# KiCad board pedalboard-display.kicad_pcb (continued)
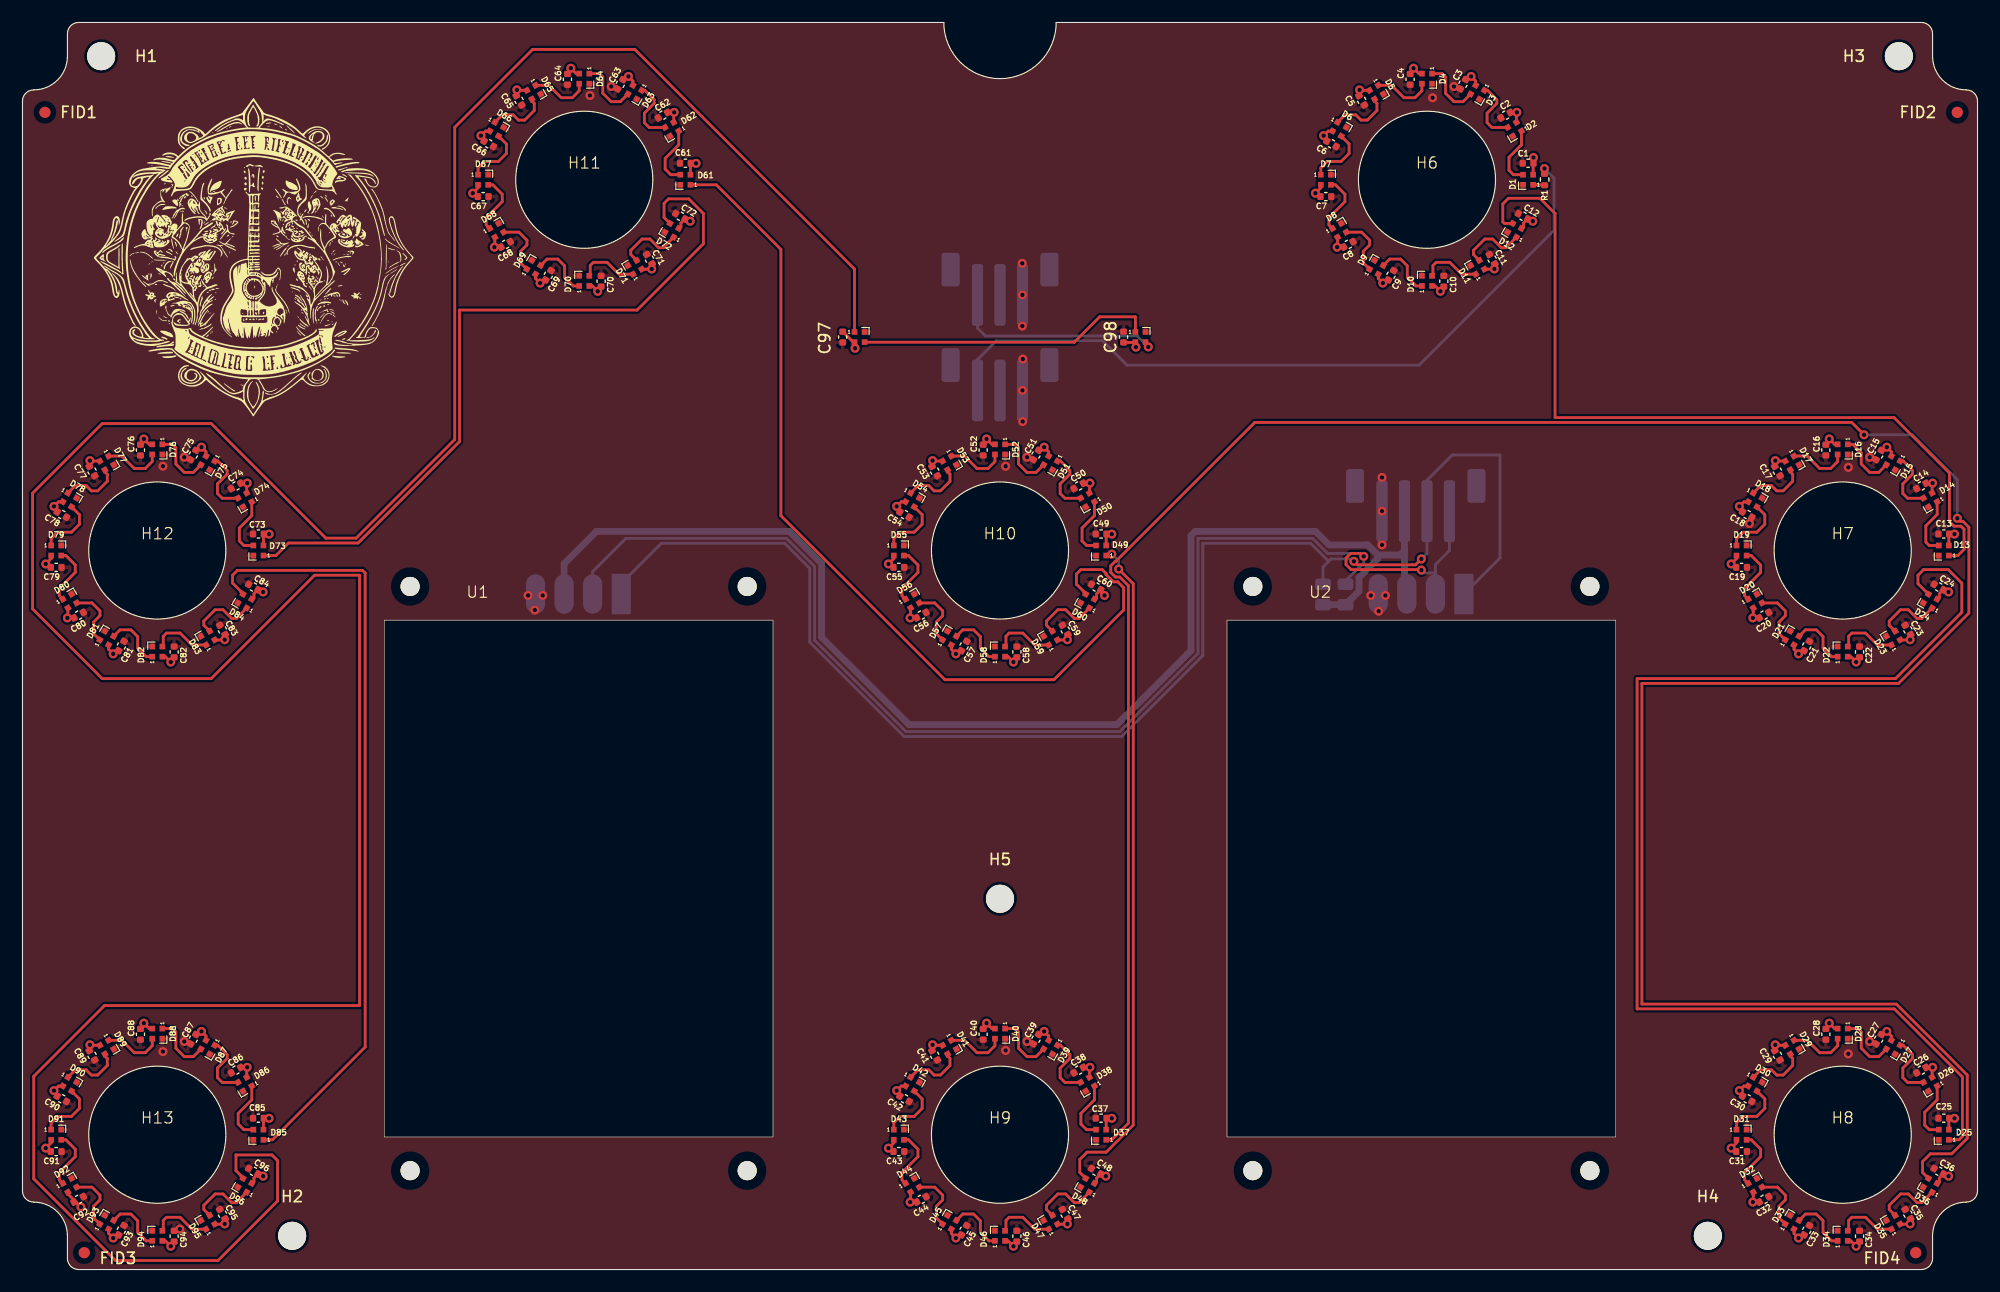
[diagram p0: board, top side]
## Footprints (pads in the part's own frame, mm; a bottom-side part is the same pattern mirrored in y, then rotated)
C_0402_1005Metric
  rrect 0.56x0.62 smd: 1(-0.48,0) 2(0.48,0)
Fiducial_1mm_Mask2mm
  round 1 smd: (0,0)
JST_PH_B3B-PH-SM4-TB_1x03-1MP_P2.00mm_Vertical
  rrect 1x5.5 smd: 1(-2,-0.5) 2(0,-0.5) 3(2,-0.5)
  rrect 1.6x3 smd: MP(-4.4,1.75) MP(4.4,1.75)
JST_PH_B4B-PH-SM4-TB_1x04-1MP_P2.00mm_Vertical
  rrect 1x5.5 smd: 1(-3,-0.5) 2(-1,-0.5) 3(1,-0.5) 4(3,-0.5)
  rrect 1.6x3 smd: MP(-5.4,1.75) MP(5.4,1.75)
LED_SK6812_EC15_1.5x1.5mm
  rect 0.5x0.5 smd: 1(-0.45,0.45) 2(-0.45,-0.45) 3(0.45,-0.45) 4(0.45,0.45)
LED_SK6812_EC15_1.5x1.5mm#2
  rect 0.5x0.5 smd: 1(-0.45,0.45) 2(-0.45,-0.45) 3(0.45,-0.45) 4(0.45,0.45)
LED_SK6812_EC15_1.5x1.5mm#3
  rect 0.5x0.5 smd: 1(-0.45,0.45) 2(-0.45,-0.45) 3(0.45,-0.45) 4(0.45,0.45)
MountingHole_2.5mm
  round 2.5 hole 2.5 unplated: (0,0)
OLED_128x128
  round 1.7 hole 1.7 unplated: (-15,26) (-15,-26) (15,26) (15,-26)
  rect 1.7x3.6 smd far side: 1(3.788,25.327)
  oval 1.7x3.5 smd far side: 2(1.248,25.327) 3(-1.292,25.327) 4(-3.832,25.327)
R_0402_1005Metric
  rrect 0.54x0.64 smd: 1(-0.51,0) 2(0.51,0)
R_0805_2012Metric
  rrect 1.025x1.4 smd: 1(-0.912,0) 2(0.912,0)

## Nets
+3.3V: J3.3 R2.1 R3.1 U1.3 U2.3
GND: C1.2 C2.2 C3.2 C4.2 C5.2 C6.2 C7.2 C8.2 C9.2 C10.2 C11.2 C12.2 C13.2 C14.2 C15.2 C16.2 C17.2 C18.2 C19.2 C20.2 C21.2 C22.2 C23.2 C24.2 C25.2 C26.2 C27.2 C28.2 C29.2 C30.2 C31.2 C32.2 C33.2 C34.2 C35.2 C36.2 C37.2 C38.2 C39.2 C40.2 C41.2 C42.2 C43.2 C44.2 C45.2 C46.2 C47.2 C48.2 C49.2 C50.2 C51.2 C52.2 C53.2 C54.2 C55.2 C56.2 C57.2 C58.2 C59.2 C60.2 C61.2 C62.2 C63.2 C64.2 C65.2 C66.2 C67.2 C68.2 C69.2 C70.2 C71.2 C72.2 C73.2 C74.2 C75.2 C76.2 C77.2 C78.2 C79.2 C80.2 C81.2 C82.2 C83.2 C84.2 C85.2 C86.2 C87.2 C88.2 C89.2 C90.2 C91.2 C92.2 C93.2 C94.2 C95.2 C96.2 C97.2 C98.2 D1.4 D2.4 D3.4 D4.4 D5.4 D6.4 D7.4 D8.4 D9.4 D10.4 D11.4 D12.4 D13.4 D14.4 D15.4 D16.4 D17.4 D18.4 D19.4 D20.4 D21.4 D22.4 D23.4 D24.4 D25.4 D26.4 D27.4 D28.4 D29.4 D30.4 D31.4 D32.4 D33.4 D34.4 D35.4 D36.4 D37.4 D38.4 D39.4 D40.4 D41.4 D42.4 D43.4 D44.4 D45.4 D46.4 D47.4 D48.4 D49.4 D50.4 D51.4 D52.4 D53.4 D54.4 D55.4 D56.4 D57.4 D58.4 D59.4 D60.4 D61.4 D62.4 D63.4 D64.4 D65.4 D66.4 D67.4 D68.4 D69.4 D70.4 D71.4 D72.4 D73.4 D74.4 D75.4 D76.4 D77.4 D78.4 D79.4 D80.4 D81.4 D82.4 D83.4 D84.4 D85.4 D86.4 D87.4 D88.4 D89.4 D90.4 D91.4 D92.4 D93.4 D94.4 D95.4 D96.4 D97.4 D98.4 J1.1 J2.1 J3.4 U1.4 U2.4
VCC: C1.1 C2.1 C3.1 C4.1 C5.1 C6.1 C7.1 C8.1 C9.1 C10.1 C11.1 C12.1 C13.1 C14.1 C15.1 C16.1 C17.1 C18.1 C19.1 C20.1 C21.1 C22.1 C23.1 C24.1 C25.1 C26.1 C27.1 C28.1 C29.1 C30.1 C31.1 C32.1 C33.1 C34.1 C35.1 C36.1 C37.1 C38.1 C39.1 C40.1 C41.1 C42.1 C43.1 C44.1 C45.1 C46.1 C47.1 C48.1 C49.1 C50.1 C51.1 C52.1 C53.1 C54.1 C55.1 C56.1 C57.1 C58.1 C59.1 C60.1 C61.1 C62.1 C63.1 C64.1 C65.1 C66.1 C67.1 C68.1 C69.1 C70.1 C71.1 C72.1 C73.1 C74.1 C75.1 C76.1 C77.1 C78.1 C79.1 C80.1 C81.1 C82.1 C83.1 C84.1 C85.1 C86.1 C87.1 C88.1 C89.1 C90.1 C91.1 C92.1 C93.1 C94.1 C95.1 C96.1 C97.1 C98.1 D1.2 D2.2 D3.2 D4.2 D5.2 D6.2 D7.2 D8.2 D9.2 D10.2 D11.2 D12.2 D13.2 D14.2 D15.2 D16.2 D17.2 D18.2 D19.2 D20.2 D21.2 D22.2 D23.2 D24.2 D25.2 D26.2 D27.2 D28.2 D29.2 D30.2 D31.2 D32.2 D33.2 D34.2 D35.2 D36.2 D37.2 D38.2 D39.2 D40.2 D41.2 D42.2 D43.2 D44.2 D45.2 D46.2 D47.2 D48.2 D49.2 D50.2 D51.2 D52.2 D53.2 D54.2 D55.2 D56.2 D57.2 D58.2 D59.2 D60.2 D61.2 D62.2 D63.2 D64.2 D65.2 D66.2 D67.2 D68.2 D69.2 D70.2 D71.2 D72.2 D73.2 D74.2 D75.2 D76.2 D77.2 D78.2 D79.2 D80.2 D81.2 D82.2 D83.2 D84.2 D85.2 D86.2 D87.2 D88.2 D89.2 D90.2 D91.2 D92.2 D93.2 D94.2 D95.2 D96.2 D97.2 D98.2 J1.2 J2.2
/I2C_SCL: J3.1 R2.2 U1.2 U2.2
/I2C_SDA: J3.2 R3.2 U1.1 U2.1
/Led Ring A/D_IN: D84.3 D85.1
/Led Ring A/D_OUT: D96.3 D97.1
/Led Ring B/D_IN: D36.3 D37.1
/Led Ring B/D_OUT: D48.3 D49.1
/Led Ring C/D_IN: D24.3 D25.1
/Led Ring D/D_IN: D72.3 D73.1
/Led Ring E/D_OUT: D60.3 D61.1
/Led Ring F/D_IN: D12.3 D13.1
/Led Ring GAIN/D_IN: D1.1 R1.2
Net-(D1-DOUT): D1.3 D2.1
Net-(D2-DOUT): D2.3 D3.1
Net-(D3-DOUT): D3.3 D4.1
Net-(D4-DOUT): D4.3 D5.1
Net-(D5-DOUT): D5.3 D6.1
Net-(D6-DOUT): D6.3 D7.1
Net-(D7-DOUT): D7.3 D8.1
Net-(D8-DOUT): D8.3 D9.1
Net-(D10-DIN): D9.3 D10.1
Net-(D10-DOUT): D10.3 D11.1
Net-(D11-DOUT): D11.3 D12.1
Net-(D13-DOUT): D13.3 D14.1
Net-(D14-DOUT): D14.3 D15.1
Net-(D15-DOUT): D15.3 D16.1
Net-(D16-DOUT): D16.3 D17.1
Net-(D17-DOUT): D17.3 D18.1
Net-(D18-DOUT): D18.3 D19.1
Net-(D19-DOUT): D19.3 D20.1
Net-(D20-DOUT): D20.3 D21.1
Net-(D21-DOUT): D21.3 D22.1
Net-(D22-DOUT): D22.3 D23.1
Net-(D23-DOUT): D23.3 D24.1
Net-(D25-DOUT): D25.3 D26.1
Net-(D26-DOUT): D26.3 D27.1
Net-(D27-DOUT): D27.3 D28.1
Net-(D28-DOUT): D28.3 D29.1
Net-(D29-DOUT): D29.3 D30.1
Net-(D30-DOUT): D30.3 D31.1
Net-(D31-DOUT): D31.3 D32.1
Net-(D32-DOUT): D32.3 D33.1
Net-(D33-DOUT): D33.3 D34.1
Net-(D34-DOUT): D34.3 D35.1
Net-(D35-DOUT): D35.3 D36.1
Net-(D37-DOUT): D37.3 D38.1
Net-(D38-DOUT): D38.3 D39.1
Net-(D39-DOUT): D39.3 D40.1
Net-(D40-DOUT): D40.3 D41.1
Net-(D41-DOUT): D41.3 D42.1
Net-(D42-DOUT): D42.3 D43.1
Net-(D43-DOUT): D43.3 D44.1
Net-(D44-DOUT): D44.3 D45.1
Net-(D45-DOUT): D45.3 D46.1
Net-(D46-DOUT): D46.3 D47.1
Net-(D47-DOUT): D47.3 D48.1
Net-(D49-DOUT): D49.3 D50.1
Net-(D50-DOUT): D50.3 D51.1
Net-(D51-DOUT): D51.3 D52.1
Net-(D52-DOUT): D52.3 D53.1
Net-(D53-DOUT): D53.3 D54.1
Net-(D54-DOUT): D54.3 D55.1
Net-(D55-DOUT): D55.3 D56.1
Net-(D56-DOUT): D56.3 D57.1
Net-(D57-DOUT): D57.3 D58.1
Net-(D58-DOUT): D58.3 D59.1
Net-(D59-DOUT): D59.3 D60.1
Net-(D61-DOUT): D61.3 D62.1
Net-(D62-DOUT): D62.3 D63.1
Net-(D63-DOUT): D63.3 D64.1
Net-(D64-DOUT): D64.3 D65.1
Net-(D65-DOUT): D65.3 D66.1
Net-(D66-DOUT): D66.3 D67.1
Net-(D67-DOUT): D67.3 D68.1
Net-(D68-DOUT): D68.3 D69.1
Net-(D69-DOUT): D69.3 D70.1
Net-(D70-DOUT): D70.3 D71.1
Net-(D71-DOUT): D71.3 D72.1
Net-(D73-DOUT): D73.3 D74.1
Net-(D74-DOUT): D74.3 D75.1
Net-(D75-DOUT): D75.3 D76.1
Net-(D76-DOUT): D76.3 D77.1
Net-(D77-DOUT): D77.3 D78.1
Net-(D78-DOUT): D78.3 D79.1
Net-(D79-DOUT): D79.3 D80.1
Net-(D80-DOUT): D80.3 D81.1
Net-(D81-DOUT): D81.3 D82.1
Net-(D82-DOUT): D82.3 D83.1
Net-(D83-DOUT): D83.3 D84.1
Net-(D85-DOUT): D85.3 D86.1
Net-(D86-DOUT): D86.3 D87.1
Net-(D87-DOUT): D87.3 D88.1
Net-(D88-DOUT): D88.3 D89.1
Net-(D89-DOUT): D89.3 D90.1
Net-(D90-DOUT): D90.3 D91.1
Net-(D91-DOUT): D91.3 D92.1
Net-(D92-DOUT): D92.3 D93.1
Net-(D93-DOUT): D93.3 D94.1
Net-(D94-DOUT): D94.3 D95.1
Net-(D95-DOUT): D95.3 D96.1
Net-(D97-DOUT): D97.3 D98.1
Net-(D98-DOUT): D98.3 J2.3
Net-(J1-Pin_3): J1.3 R1.1

Pads without a net: J1 MP; J2 MP; J3 MP

## Via types
v1: diameter 0.8, hole 0.4, Top to Bottom, 141 vias

## Routing (per net, layer and track width the routed paths; a pad name or vN(x,y) marks a point on that pad's centre or on a via; arc(x,y) is an arc through that point)
+3.3V: length 118.6
  Bottom w0.6: R3.1 R2.1 118.95,60.38 118.95,61.6 120.63,63.28 120.63,63.6 ; J3.3 123,64 ; 123,64 123,60.34 ; 123,64 122.6,63.6 120.63,63.6 ; 120.63,63.6 119.73,64.5 116.28,64.5 115.08,65.7 104.37,65.7 104,65.33 104,55.1 97.4,48.5 78.89,48.5 71.12,56.27 71.12,62.84 68.26,65.7 51.08,65.7 48.21,62.83 U1.3
GND: length 11.4
  Top w0.25: C18.2 153.92,66.72 153.6,66.4 ; 89,89.54 v1(88.98,89.56) ; 89,75.5 v1(89.02,75.48)
  Bottom w0.25: v1(88.99,83.98) 89,83.99 v1(89,86.75) ; v1(121,70.5) v1(121,67.5) v1(121,64.5) ; 121.37,60.13 121.4,60.1 ; U2.4 120.67,58.33
  vias: v1(12.5,71.5) v1(12.5,19.4) v1(14,3.6) v1(14.4,72.3) v1(14.4,20.3) v1(45,60) v1(45.6,58.7) v1(46.3,60) v1(50.5,104.5) v1(52.4,105.3) v1(87.5,71.5) v1(87.5,19.5) v1(89.03,81.04) v1(89,78.25) v1(89.4,72.3) v1(89.4,20.3) v1(120,60) v1(120.7,58.6) v1(121.3,60) v1(125.5,104.3) v1(127.4,105.3) v1(153.7,66.4) v1(162.5,71.4) v1(162.5,19.2) v1(164.4,72.3) v1(164.4,20.3)
VCC: length 98.1
  Top w0.25: v1(158.07,54.8) 157.66,55.21 D21.2 ; D28.2 161.28,21.45 v1(160.8,21.93) ; C13.1 171.94,65.47 v1(171.95,65.46) ; v1(40.8,100.93) 41.21,101.34 D66.2 ; D10.2 125.72,87.55 v1(126.2,87.07) ; C61.1 59.94,98.47 v1(59.95,98.46) ; v1(77.07,10.8) 77.55,11.28 D43.2 ; D51.2 91.34,72.79 v1(90.93,73.2) ; D94.2 12.72,2.55 v1(13.2,2.07) ; v1(53.93,106.2) 54.34,105.79 D63.2 ; D81.2 7.66,55.21 v1(8.07,54.8) ; v1(6,20) 6.04,19.96 D89.2 ; v1(121.07,87.8) 120.66,88.21 D9.2 ; v1(6,72) 6.04,71.96 D77.2 ; C85.1 21.94,13.47 v1(21.95,13.46) ; v1(154,6) 154.04,6.04 D32.2 ; v1(15.93,21.2) 16.34,20.79 D87.2 ; v1(152.8,67.93) 153.21,68.34 D18.2 ; D47.2 92.98,4.04 v1(93,4.06) ; D68.2 42.04,91.04 v1(42,91) ; v1(165.93,73.2) 166.34,72.79 D15.2 ; v1(152.07,62.8) 152.55,63.28 D19.2 ; D84.2 20.6,59.86 20.6,60.14 C84.1 ; D64.2 49.28,106.45 v1(48.8,106.93) ; v1(152.07,10.8) 152.55,11.28 D31.2 ; D49.2 96.45,65.44 ; D96.2 20.6,7.86 20.6,8.14 C96.1 ; C25.1 171.94,13.47 v1(171.95,13.46) ; v1(96.95,65.46) 96.94,65.47 C49.1 ; D80.2 4.04,58.04 v1(4,58) ; D79.2 2.55,63.28 v1(2.07,62.8) ; D65.2 44.04,104.96 v1(44,105) ; D52.2 86.28,73.45 v1(85.8,73.93) ; D72.2 58.6,92.86 58.6,93.14 C72.1 ; v1(156,72) 156.04,71.96 D17.2 ; D6.2 116.21,101.34 v1(115.8,100.93) ; v1(170,70) 169.96,69.96 D14.2 ; v1(165.93,21.2) 166.34,20.79 D27.2 ; D7.2 115.55,96.28 v1(115.07,95.8) ; v1(117,91) 117.04,91.04 D8.2 ; D58.2 87.72,54.55 v1(88.2,54.07) ; v1(85.8,21.93) 86.28,21.45 D40.2 ; D29.2 156.04,19.96 v1(156,20) ; v1(152.8,15.93) 153.21,16.34 D30.2 ; D55.2 77.55,63.28 v1(77.07,62.8) ; v1(56,89.06) 55.98,89.04 D71.2 ; D62.2 57.96,102.96 v1(58,103) ; v1(2.8,67.93) 3.21,68.34 D78.2 ; v1(77.8,15.93) 78.21,16.34 D42.2 ; v1(123.8,106.93) 124.28,106.45 D4.2 ; v1(134.48,98.98) C1.1 ; D37.2 96.45,13.44 ; D95.2 17.98,4.04 v1(18,4.06) ; D69.2 45.66,88.21 v1(46.07,87.8) ; v1(131,89.06) 130.98,89.04 D11.2 ; D92.2 4.04,6.73 v1(5.2,5.57) ; v1(40.07,95.8) 40.55,96.28 D67.2 ; v1(18,56.06) 17.98,56.04 D83.2 ; D82.2 12.72,54.55 v1(13.2,54.07) ; D74.2 19.96,69.96 v1(20,70) ; D16.2 161.28,73.45 v1(160.8,73.93) ; D23.2 167.98,56.04 v1(168,56.06) ; v1(20,18) 19.96,17.96 D86.2 ; v1(8.07,2.8) 7.66,3.21 D93.2 ; v1(133,103) 132.96,102.96 D2.2 ; v1(83.07,2.8) 82.66,3.21 D45.2 ; C12.1 133.6,93.14 133.6,92.86 D12.2 ; v1(119,105) 119.04,104.96 D5.2 ; D59.2 92.98,56.04 v1(93,56.06) ; D60.2 95.6,59.86 95.6,60.14 C60.1 ; D57.2 82.66,55.21 v1(83.07,54.8) ; D20.2 154.04,58.04 v1(154,58) ; v1(10.8,73.93) 11.28,73.45 D76.2 ; D1.2 134.45,98.44 ; v1(10.8,21.93) 11.28,21.45 D88.2 ; D25.2 171.45,13.44 ; v1(95,18) 94.96,17.96 D38.2 ; C73.1 21.94,65.47 v1(21.95,65.46) ; D48.2 95.6,7.86 95.6,8.14 C48.1 ; C97.1 73.93,82.55 D97.2 ; v1(51.2,87.07) 50.72,87.55 D70.2 ; v1(79,58) 79.04,58.04 D56.2 ; v1(128.93,106.2) 129.34,105.79 D3.2 ; D61.2 59.45,98.44 ; v1(163.2,54.07) 162.72,54.55 D22.2 ; D35.2 167.98,4.04 v1(168,4.06) ; D13.2 171.45,65.44 ; D85.2 21.45,13.44 ; D36.2 170.6,7.86 170.6,8.14 C36.1 ; v1(2.8,15.93) 3.21,16.34 D90.2 ; D53.2 81.04,71.96 v1(81,72) ; D54.2 78.21,68.34 v1(77.8,67.93) ; v1(79,6) 79.04,6.04 D44.2 ; v1(158.07,2.8) 157.66,3.21 D33.2 ; D75.2 16.34,72.79 v1(15.93,73.2) ; D26.2 169.96,17.96 v1(170,18) ; D50.2 94.96,69.96 v1(95,70) ; v1(163.2,2.07) 162.72,2.55 D34.2 ; D91.2 2.55,11.28 v1(2.07,10.8) ; D46.2 87.72,2.55 v1(88.2,2.07) ; C24.1 170.6,60.14 170.6,59.86 D24.2 ; D73.2 21.45,65.44 ; v1(90.93,21.2) 91.34,20.79 D39.2 ; D41.2 81.04,19.96 v1(81,20) ; C37.1 96.94,13.47 v1(96.95,13.46) ; C98.1 99.02,82.52
  vias: v1(21.42,60.31) v1(21.42,8.31) v1(59.42,93.31) v1(74.1,82) v1(96.3,60) v1(96.42,8.31) v1(99.1,82.1) v1(134.42,93.31) v1(171.42,60.31) v1(171.42,8.31)
/I2C_SCL: length 118.3
  Top w0.25: v1(119.37,63.48) 119.11,63.74 118.21,63.74 117.79,63.33 117.79,62.74 118.24,62.3 124.46,62.3 v1(124.5,62.26)
  Bottom w0.25: 125.75,62 125.75,62.75 127,64 J3.1 ; 125.75,62 124.76,62 v1(124.5,62.26) ; 125.75,62 U2.2 ; U1.2 50.75,62.12 53.7,65.08 68,65.08 70.5,62.58 70.5,56.01 78.63,47.88 97.66,47.88 104.62,54.84 104.62,65.08 114.82,65.08 116.15,63.74 119.11,63.74 v1(119.37,63.48) 119.37,62.91 117.75,61.29 R2.2
/I2C_SDA: length 128.4
  Top w0.25: v1(124.5,63.25) 123.98,62.73 118.81,62.73 v1(118.5,63.04)
  Bottom w0.25: 116.25,63.04 115.75,62.53 R3.2 ; 116.25,63.04 114.64,64.64 105.06,64.64 105.06,54.66 97.84,47.44 78.45,47.44 70.07,55.83 70.07,62.4 67.83,64.64 56.86,64.64 53.29,61.08 ; 116.25,63.04 116.47,63.25 118.29,63.25 v1(118.5,63.04) ; U2.1 131.5,63.34 131.5,72.5 127.25,72.5 125,70.25 J3.2 125,63.75 v1(124.5,63.25)
/Led Ring A/D_IN: length 68.8
  Top w0.25: D85.1 22.25,11.55 30.5,19.8 30.5,62 30.27,62.23 19.13,62.23 18.7,61.8 18.7,61.1 19.45,60.35 19.45,60.3 D84.3
/Led Ring A/D_OUT: length 289.5
  Top w0.25: D97.1 74.05,89.05 54.5,108.6 45.4,108.6 38.47,101.67 38.47,73.88 29.69,65.1 27,65.1 16.8,75.3 7.1,75.3 0.9,69.1 0.9,58.8 7.1,52.6 16.8,52.6 26,61.8 30,61.8 30,23.5 7.3,23.5 1,17.2 1,8.08 8.28,0.8 17.4,0.8 22.7,6.1 22.7,9.7 22.2,10.2 19,10.2 19,8.8 19.45,8.35 19.45,8.3 D96.3
/Led Ring B/D_IN: length 252.2
  Top w0.25: D36.3 169.11,8.63 169.11,9.61 169.8,10.3 171.71,10.3 173.09,11.68 173.09,17.31 166.77,23.63 144.13,23.63 144.13,52.17 166.97,52.17 173.23,58.43 173.23,66.07 172.71,66.59 172.48,66.59 v1(172.2,66.87) ; D37.1 96.95,11.55 98.43,13.03 98.43,60.87 97.66,61.64 97.27,61.64 96.86,62.05 96.86,62.64 97.27,63.05 97.32,63.05 109.67,75.4 162.8,75.4 v1(163.9,74.3)
  Bottom w0.25: v1(163.9,74.3) 168.2,74.3 172.2,70.3 v1(172.2,66.87)
/Led Ring B/D_OUT: length 59.9
  Top w0.25: D48.3 94.1,8.64 94.1,9.8 94.75,10.45 96.45,10.45 98.86,12.85 98.86,61.05 v1(97.56,62.34) ; v1(96.95,63.68) 96.58,63.68
  Bottom w0.25: v1(97.56,62.34) 97.56,63.06 v1(96.95,63.68)
/Led Ring C/D_IN: length 108.1
  Top w0.25: D24.3 168.7,61.04 168.7,61.8 169.2,62.3 171.4,62.3 172.6,61.1 172.6,58.5 166.7,52.6 143.7,52.6 143.7,23.2 166.59,23.2 172.66,17.14 172.66,11.86 172.35,11.55 D25.1
/Led Ring D/D_IN: length 66.4
  Top w0.25: D72.3 57.1,93.64 57.1,94.9 57.5,95.3 59.3,95.3 60.6,94 60.6,91.3 54.7,85.4 38.9,85.4 38.9,73.7 29.87,64.67 23.67,64.67 22.55,63.55 D73.1
/Led Ring E/D_OUT: length 82.5
  Top w0.25: D60.3 94.45,60.3 94.45,60.35 93.8,61 93.8,61.9 94.2,62.3 96.1,62.3 96.43,61.97 96.43,61.87 97.09,61.21 97.48,61.21 98,60.69 98,58.7 91.8,52.5 82.1,52.5 67.5,67.1 67.5,90.8 61.75,96.55 D61.1
/Led Ring F/D_IN: length 72.5
  Top w0.25: D12.3 131.89,93.11 131.75,93.25 131.75,94.85 132.25,95.35 135.05,95.35 136.4,94 136.4,75.83 166.57,75.83 171.5,70.9 171.5,66.58 171.91,66.17 172.53,66.17 172.8,65.9 172.8,64.1 172.25,63.55 D13.1
/Led Ring GAIN/D_IN: length 1.1
  Top w0.25: R1.2 135.43,96.55 D1.1 134.45,96.46
Net-(D1-DOUT): length 5.4
  Top w0.25: D1.3 132.7,97.45 132.3,97.85 132.3,99 133.41,100.11 D2.1
Net-(D2-DOUT): length 5.9
  Top w0.25: 132.16,101.65 130.78,101.65 130.35,102.08 130.35,102.93 131.22,103.8 131.22,104.13 130.39,104.96 D3.1
Net-(D3-DOUT): length 5.6
  Top w0.25: D4.1 126.35,106.45 126.65,106.15 126.65,104.7 127.4,103.95 128.21,103.95 D3.3
Net-(D4-DOUT): length 5.2
  Top w0.25: D4.3 124.55,104.92 123.93,104.3 122.95,104.3 121.84,105.41 D5.1
Net-(D5-DOUT): length 5.4
  Top w0.25: D6.1 117.71,102.78 118.66,102.78 119.13,102.31 119.7,102.31 120.55,103.16 120.55,103.79 120.34,104 D5.3
Net-(D6-DOUT): length 5.5
  Top w0.25: D6.3 118.07,100.19 118.07,99.34 117.36,98.63 116.12,98.63 115.55,98.06 D7.1
Net-(D7-DOUT): length 5.4
  Top w0.25: D8.1 116.27,92.99 116.27,93.62 117.7,95.05 117.7,95.71 116.86,96.55 D7.3
Net-(D8-DOUT): length 5.4
  Top w0.25: D9.1 119.33,89.6 119.33,90.63 119.9,91.2 119.9,91.62 119.18,92.34 D8.3
Net-(D10-DIN): length 5.3
  Top w0.25: D9.3 121.68,89.94 122.65,89.94 123.25,89.34 123.25,88.31 124.01,87.55 D10.1
Net-(D10-DOUT): length 5.2
  Top w0.25: D11.1 128.09,88.59 127.03,89.65 125.81,89.65 125.53,89.37 125.53,88.53
Net-(D11-DOUT): length 6.1
  Top w0.25: D12.1 132.05,90.98 132.05,90.95 131.62,90.95 130.84,91.73 130.15,91.73 129.14,90.72 129.14,90.35 D11.3
Net-(D13-DOUT): length 5.3
  Top w0.25: D13.3 169.7,64.45 169.4,64.75 169.4,66.2 170.41,67.21 D14.1
Net-(D14-DOUT): length 5.9
  Top w0.25: D15.1 167.39,71.96 168.22,71.13 168.22,70.8 167.35,69.93 167.35,69.08 167.78,68.65 169.16,68.65
Net-(D15-DOUT): length 5.3
  Top w0.25: D15.3 165.21,70.95 164.4,70.95 163.65,71.7 163.65,72.7 162.9,73.45 D16.1
Net-(D16-DOUT): length 5.2
  Top w0.25: D16.3 161.55,71.92 160.93,71.3 159.95,71.3 158.84,72.41 D17.1
Net-(D17-DOUT): length 5.4
  Top w0.25: D18.1 154.71,69.78 155.66,69.78 156.13,69.31 156.7,69.31 157.55,70.16 157.55,70.79 157.34,71 D17.3
Net-(D18-DOUT): length 5.5
  Top w0.25: D18.3 155.07,67.19 155.07,66.34 154.36,65.63 153.12,65.63 152.55,65.06 D19.1
Net-(D19-DOUT): length 5.4
  Top w0.25: D20.1 153.27,59.99 153.27,60.62 154.7,62.05 154.7,62.71 153.86,63.55 D19.3
Net-(D20-DOUT): length 5.4
  Top w0.25: D21.1 156.33,56.6 156.33,57.63 156.9,58.2 156.9,58.62 156.18,59.34 D20.3
Net-(D21-DOUT): length 5.3
  Top w0.25: D22.1 161.01,54.55 160.25,55.31 160.25,56.34 159.65,56.94 158.68,56.94 D21.3
Net-(D22-DOUT): length 5.2
  Top w0.25: D23.1 165.09,55.59 164.03,56.65 162.81,56.65 162.53,56.37 162.53,55.53
Net-(D23-DOUT): length 6.1
  Top w0.25: D24.1 169.05,57.98 169.05,57.95 168.62,57.95 167.84,58.73 167.15,58.73 166.14,57.72 166.14,57.35 D23.3
Net-(D25-DOUT): length 5.4
  Top w0.25: D25.3 169.7,12.45 169.3,12.85 169.3,14 170.41,15.11 D26.1
Net-(D26-DOUT): length 5.9
  Top w0.25: D27.1 167.39,19.96 168.22,19.13 168.22,18.8 167.35,17.93 167.35,17.08 167.78,16.65 169.16,16.65
Net-(D27-DOUT): length 5.6
  Top w0.25: D27.3 165.21,18.95 164.4,18.95 163.65,19.7 163.65,21.15 163.35,21.45 D28.1
Net-(D28-DOUT): length 5.2
  Top w0.25: D28.3 161.55,19.92 160.93,19.3 159.95,19.3 158.84,20.41 D29.1
Net-(D29-DOUT): length 5.4
  Top w0.25: D30.1 154.71,17.78 155.66,17.78 156.13,17.31 156.7,17.31 157.55,18.16 157.55,18.79 157.34,19 D29.3
Net-(D30-DOUT): length 5.5
  Top w0.25: D31.1 152.55,13.06 153.12,13.63 154.36,13.63 155.07,14.34 155.07,15.19 D30.3
Net-(D31-DOUT): length 5.4
  Top w0.25: D31.3 153.86,11.55 154.7,10.71 154.7,10.05 153.27,8.62 153.27,7.99 D32.1
Net-(D32-DOUT): length 5.4
  Top w0.25: D32.3 156.18,7.34 156.9,6.62 156.9,6.2 156.33,5.63 156.33,4.6 D33.1
Net-(D33-DOUT): length 5.3
  Top w0.25: D34.1 161.01,2.55 160.25,3.31 160.25,4.34 159.65,4.94 158.68,4.94 D33.3
Net-(D34-DOUT): length 5.2
  Top w0.25: D35.1 165.09,3.59 164.03,4.65 162.81,4.65 162.53,4.37 162.53,3.53
Net-(D35-DOUT): length 6.1
  Top w0.25: D36.1 169.05,5.98 169.05,5.95 168.62,5.95 167.84,6.73 167.15,6.73 166.14,5.72 166.14,5.35 D35.3
Net-(D37-DOUT): length 5.4
  Top w0.25: D38.1 95.41,15.11 94.2,13.9 94.2,12.95 94.7,12.45 D37.3
Net-(D38-DOUT): length 5.9
  Top w0.25: D39.1 92.39,19.96 93.22,19.13 93.22,18.8 92.35,17.93 92.35,17.08 92.78,16.65 94.16,16.65
Net-(D39-DOUT): length 5.6
  Top w0.25: D40.1 88.35,21.45 88.65,21.15 88.65,19.7 89.4,18.95 90.21,18.95 D39.3
Net-(D40-DOUT): length 5.2
  Top w0.25: D41.1 83.84,20.41 84.95,19.3 85.93,19.3 86.55,19.92 D40.3
Net-(D41-DOUT): length 5.4
  Top w0.25: D41.3 82.34,19 82.55,18.79 82.55,18.16 81.7,17.31 81.13,17.31 80.66,17.78 79.71,17.78 D42.1
Net-(D42-DOUT): length 5.5
  Top w0.25: D43.1 77.55,13.06 78.12,13.63 79.36,13.63 80.07,14.34 80.07,15.19 D42.3
Net-(D43-DOUT): length 5.4
  Top w0.25: D43.3 78.86,11.55 79.7,10.71 79.7,10.05 78.27,8.62 78.27,7.99 D44.1
Net-(D44-DOUT): length 5.4
  Top w0.25: D45.1 81.33,4.6 81.33,5.63 81.9,6.2 81.9,6.62 81.18,7.34 D44.3
Net-(D45-DOUT): length 5.3
  Top w0.25: D46.1 86.01,2.55 85.25,3.31 85.25,4.34 84.65,4.94 83.68,4.94 D45.3
Net-(D46-DOUT): length 5.2
  Top w0.25: 87.53,3.53 87.53,4.37 87.81,4.65 89.03,4.65 90.09,3.59 D47.1
Net-(D47-DOUT): length 6.1
  Top w0.25: D47.3 91.14,5.35 91.14,5.72 92.15,6.73 92.84,6.73 93.62,5.95 94.05,5.95 94.05,5.98 D48.1
Net-(D49-DOUT): length 5.4
  Top w0.25: D50.1 95.41,67.11 94.3,66 94.3,64.85 94.7,64.45 D49.3
Net-(D50-DOUT): length 5.9
  Top w0.25: 94.16,68.65 92.78,68.65 92.35,69.08 92.35,69.93 93.22,70.8 93.22,71.13 92.39,71.96 D51.1
Net-(D51-DOUT): length 5.6
  Top w0.25: D51.3 90.21,70.95 89.4,70.95 88.65,71.7 88.65,73.15 88.35,73.45 D52.1
Net-(D52-DOUT): length 5.2
  Top w0.25: D52.3 86.55,71.92 85.93,71.3 84.95,71.3 83.84,72.41 D53.1
Net-(D53-DOUT): length 5.4
  Top w0.25: D53.3 82.34,71 82.55,70.79 82.55,70.16 81.7,69.31 81.13,69.31 80.66,69.78 79.71,69.78 D54.1
Net-(D54-DOUT): length 5.5
  Top w0.25: D55.1 77.55,65.06 78.12,65.63 79.36,65.63 80.07,66.34 80.07,67.19 D54.3
Net-(D55-DOUT): length 5.4
  Top w0.25: D55.3 78.86,63.55 79.7,62.71 79.7,62.05 78.27,60.62 78.27,59.99 D56.1
Net-(D56-DOUT): length 5.4
  Top w0.25: D57.1 81.33,56.6 81.33,57.63 81.9,58.2 81.9,58.62 81.18,59.34 D56.3
Net-(D57-DOUT): length 5.3
  Top w0.25: D57.3 83.68,56.94 84.65,56.94 85.25,56.34 85.25,55.31 86.01,54.55 D58.1
Net-(D58-DOUT): length 5.2
  Top w0.25: D59.1 90.09,55.59 89.03,56.65 87.81,56.65 87.53,56.37 87.53,55.53
Net-(D59-DOUT): length 6.1
  Top w0.25: D60.1 94.05,57.98 94.05,57.95 93.62,57.95 92.84,58.73 92.15,58.73 91.14,57.72 91.14,57.35 D59.3
Net-(D61-DOUT): length 5.4
  Top w0.25: D61.3 57.7,97.45 57.2,97.95 57.2,98.9 58.41,100.11 D62.1
Net-(D62-DOUT): length 5.9
  Top w0.25: 57.16,101.65 55.78,101.65 55.35,102.08 55.35,102.93 56.22,103.8 56.22,104.13 55.39,104.96 D63.1
Net-(D63-DOUT): length 5.6
  Top w0.25: D64.1 51.35,106.45 51.65,106.15 51.65,104.7 52.4,103.95 53.21,103.95 D63.3
Net-(D64-DOUT): length 5.2
  Top w0.25: D64.3 49.55,104.92 48.93,104.3 47.95,104.3 46.84,105.41 D65.1
Net-(D65-DOUT): length 5.4
  Top w0.25: D66.1 42.71,102.78 43.66,102.78 44.13,102.31 44.7,102.31 45.55,103.16 45.55,103.79 45.34,104 D65.3
Net-(D66-DOUT): length 5.5
  Top w0.25: D66.3 43.07,100.19 43.07,99.34 42.36,98.63 41.12,98.63 40.55,98.06 D67.1
Net-(D67-DOUT): length 5.4
  Top w0.25: D67.3 41.86,96.55 42.7,95.71 42.7,95.05 41.27,93.62 41.27,92.99 D68.1
Net-(D68-DOUT): length 5.4
  Top w0.25: D68.3 44.18,92.34 44.9,91.62 44.9,91.2 44.33,90.63 44.33,89.6 D69.1
Net-(D69-DOUT): length 5.3
  Top w0.25: D70.1 49.01,87.55 48.25,88.31 48.25,89.34 47.65,89.94 46.68,89.94 D69.3
Net-(D70-DOUT): length 5.2
  Top w0.25: D71.1 53.09,88.59 52.03,89.65 50.81,89.65 50.53,89.37 50.53,88.53
Net-(D71-DOUT): length 6.1
  Top w0.25: D72.1 57.05,90.98 57.05,90.95 56.62,90.95 55.84,91.73 55.15,91.73 54.14,90.72 54.14,90.35 D71.3
Net-(D73-DOUT): length 5.4
  Top w0.25: D74.1 20.41,67.11 19.3,66 19.3,64.85 19.7,64.45 D73.3
Net-(D74-DOUT): length 5.9
  Top w0.25: 19.16,68.65 17.78,68.65 17.35,69.08 17.35,69.93 18.22,70.8 18.22,71.13 17.39,71.96 D75.1
Net-(D75-DOUT): length 5.6
  Top w0.25: D75.3 15.21,70.95 14.4,70.95 13.65,71.7 13.65,73.15 13.35,73.45 D76.1
Net-(D76-DOUT): length 5.2
  Top w0.25: D77.1 8.84,72.41 9.95,71.3 10.93,71.3 11.55,71.92 D76.3
Net-(D77-DOUT): length 5.4
  Top w0.25: D77.3 7.34,71 7.55,70.79 7.55,70.16 6.7,69.31 6.13,69.31 5.66,69.78 4.71,69.78 D78.1
Net-(D78-DOUT): length 5.5
  Top w0.25: D79.1 2.55,65.06 3.12,65.63 4.36,65.63 5.07,66.34 5.07,67.19 D78.3
Net-(D79-DOUT): length 5.4
  Top w0.25: D79.3 3.86,63.55 4.7,62.71 4.7,62.05 3.27,60.62 3.27,59.99 D80.1
Net-(D80-DOUT): length 5.4
  Top w0.25: D81.1 6.33,56.6 6.33,57.63 6.9,58.2 6.9,58.62 6.18,59.34 D80.3
Net-(D81-DOUT): length 5.3
  Top w0.25: D81.3 8.68,56.94 9.65,56.94 10.25,56.34 10.25,55.31 11.01,54.55 D82.1
Net-(D82-DOUT): length 5.2
  Top w0.25: D83.1 15.09,55.59 14.03,56.65 12.81,56.65 12.53,56.37 12.53,55.53
Net-(D83-DOUT): length 6.1
  Top w0.25: D83.3 16.14,57.35 16.14,57.72 17.15,58.73 17.84,58.73 18.62,57.95 19.05,57.95 19.05,57.98 D84.1
Net-(D85-DOUT): length 5.4
  Top w0.25: D85.3 19.7,12.45 19.2,12.95 19.2,13.9 20.41,15.11 D86.1
Net-(D86-DOUT): length 5.9
  Top w0.25: 19.16,16.65 17.78,16.65 17.35,17.08 17.35,17.93 18.22,18.8 18.22,19.13 17.39,19.96 D87.1
Net-(D87-DOUT): length 5.6
  Top w0.25: D88.1 13.35,21.45 13.65,21.15 13.65,19.7 14.4,18.95 15.21,18.95 D87.3
Net-(D88-DOUT): length 5.2
  Top w0.25: D88.3 11.55,19.92 10.93,19.3 9.95,19.3 8.84,20.41 D89.1
Net-(D89-DOUT): length 5.4
  Top w0.25: D90.1 4.71,17.78 5.66,17.78 6.13,17.31 6.7,17.31 7.55,18.16 7.55,18.79 7.34,19 D89.3
Net-(D90-DOUT): length 5.5
  Top w0.25: D90.3 5.07,15.19 5.07,14.34 4.36,13.63 3.12,13.63 2.55,13.06 D91.1
Net-(D91-DOUT): length 5.4
  Top w0.25: D92.1 3.27,7.99 3.27,8.62 4.7,10.05 4.7,10.71 3.86,11.55 D91.3
Net-(D92-DOUT): length 5.4
  Top w0.25: D92.3 6.18,7.34 6.9,6.62 6.9,6.2 6.33,5.63 6.33,4.6 D93.1
Net-(D93-DOUT): length 5.3
  Top w0.25: D94.1 11.01,2.55 10.25,3.31 10.25,4.34 9.65,4.94 8.68,4.94 D93.3
Net-(D94-DOUT): length 5.2
  Top w0.25: D95.1 15.09,3.59 14.03,4.65 12.81,4.65 12.53,4.37 12.53,3.53
Net-(D95-DOUT): length 6.1
  Top w0.25: D95.3 16.14,5.35 16.14,5.72 17.15,6.73 17.84,6.73 18.62,5.95 19.05,5.95 19.05,5.98 D96.1
Net-(D97-DOUT): length 26.4
  Top w0.25: D98.1 99.05,84.8 95.87,84.8 93.61,82.54 74.96,82.54 D97.3
Net-(D98-DOUT): length 19.4
  Top w0.25: D98.3 99.95,82.37 v1(100.2,82.12)
  Bottom w0.25: J2.3 85,83.8 85.7,83.1 99.22,83.1 v1(100.2,82.12)
Net-(J1-Pin_3): length 66.5
  Bottom w0.25: v1(135.46,98) 136.3,97.16 136.3,92.5 124.3,80.5 98.3,80.5 96.13,82.67 86.67,82.67 85,81 J1.3

## Copper pours and planes (outline as drawn; the poured copper is in the pictures)
GND on Top: 0,111 174,111 174,0 0,0
GND on Bottom: 171,64 170.98,64.6 170.92,65.2 170.82,65.79 170.68,66.38 170.5,66.95 170.29,67.51 170.03,68.06 169.74,68.59 169.42,69.09 169.06,69.58 168.67,70.04 168.26,70.47 167.81,70.87 167.34,71.25 166.84,71.59 166.33,71.89 165.79,72.16 165.23,72.4 164.67,72.6 164.09,72.75 163.5,72.87 162.9,72.95 162.3,72.99 161.7,72.99 161.1,72.95 160.5,72.87 159.91,72.75 159.33,72.6 158.77,72.4 158.21,72.16 157.67,71.89 157.16,71.59 156.66,71.25 156.19,70.87 155.74,70.47 155.33,70.04 154.94,69.58 154.58,69.09 154.26,68.59 153.97,68.06 153.71,67.51 153.5,66.95 153.32,66.38 153.18,65.79 153.08,65.2 153.02,64.6 153,64 153.02,63.4 153.08,62.8 153.18,62.21 153.32,61.62 153.5,61.05 153.71,60.49 153.97,59.94 154.26,59.41 154.58,58.91 154.94,58.42 155.33,57.96 155.74,57.53 156.19,57.13 156.66,56.75 157.16,56.41 157.67,56.11 158.21,55.84 158.77,55.6 159.33,55.4 159.91,55.25 160.5,55.13 161.1,55.05 161.7,55.01 162.3,55.01 162.9,55.05 163.5,55.13 164.09,55.25 164.67,55.4 165.23,55.6 165.79,55.84 166.33,56.11 166.84,56.41 167.34,56.75 167.81,57.13 168.26,57.53 168.67,57.96 169.06,58.42 169.42,58.91 169.74,59.41 170.03,59.94 170.29,60.49 170.5,61.05 170.68,61.62 170.82,62.21 170.92,62.8 170.98,63.4
GND on Bottom: 134,97 133.98,97.6 133.92,98.2 133.82,98.79 133.68,99.38 133.5,99.95 133.29,100.51 133.03,101.06 132.74,101.59 132.42,102.09 132.06,102.58 131.67,103.04 131.26,103.47 130.81,103.87 130.34,104.25 129.84,104.59 129.33,104.89 128.79,105.16 128.23,105.4 127.67,105.6 127.09,105.75 126.5,105.87 125.9,105.95 125.3,105.99 124.7,105.99 124.1,105.95 123.5,105.87 122.91,105.75 122.33,105.6 121.77,105.4 121.21,105.16 120.67,104.89 120.16,104.59 119.66,104.25 119.19,103.87 118.74,103.47 118.33,103.04 117.94,102.58 117.58,102.09 117.26,101.59 116.97,101.06 116.71,100.51 116.5,99.95 116.32,99.38 116.18,98.79 116.08,98.2 116.02,97.6 116,97 116.02,96.4 116.08,95.8 116.18,95.21 116.32,94.62 116.5,94.05 116.71,93.49 116.97,92.94 117.26,92.41 117.58,91.91 117.94,91.42 118.33,90.96 118.74,90.53 119.19,90.13 119.66,89.75 120.16,89.41 120.67,89.11 121.21,88.84 121.77,88.6 122.33,88.4 122.91,88.25 123.5,88.13 124.1,88.05 124.7,88.01 125.3,88.01 125.9,88.05 126.5,88.13 127.09,88.25 127.67,88.4 128.23,88.6 128.79,88.84 129.33,89.11 129.84,89.41 130.34,89.75 130.81,90.13 131.26,90.53 131.67,90.96 132.06,91.42 132.42,91.91 132.74,92.41 133.03,92.94 133.29,93.49 133.5,94.05 133.68,94.62 133.82,95.21 133.92,95.8 133.98,96.4
GND on Bottom: 21,12 20.98,12.6 20.92,13.2 20.82,13.79 20.68,14.38 20.5,14.95 20.29,15.51 20.03,16.06 19.74,16.59 19.42,17.09 19.06,17.58 18.67,18.04 18.26,18.47 17.81,18.87 17.34,19.25 16.84,19.59 16.33,19.89 15.79,20.16 15.23,20.4 14.67,20.6 14.09,20.75 13.5,20.87 12.9,20.95 12.3,20.99 11.7,20.99 11.1,20.95 10.5,20.87 9.91,20.75 9.33,20.6 8.77,20.4 8.21,20.16 7.67,19.89 7.16,19.59 6.66,19.25 6.19,18.87 5.74,18.47 5.33,18.04 4.94,17.58 4.58,17.09 4.26,16.59 3.97,16.06 3.71,15.51 3.5,14.95 3.32,14.38 3.18,13.79 3.08,13.2 3.02,12.6 3,12 3.02,11.4 3.08,10.8 3.18,10.21 3.32,9.62 3.5,9.05 3.71,8.49 3.97,7.94 4.26,7.41 4.58,6.91 4.94,6.42 5.33,5.96 5.74,5.53 6.19,5.13 6.66,4.75 7.16,4.41 7.67,4.11 8.21,3.84 8.77,3.6 9.33,3.4 9.91,3.25 10.5,3.13 11.1,3.05 11.7,3.01 12.3,3.01 12.9,3.05 13.5,3.13 14.09,3.25 14.67,3.4 15.23,3.6 15.79,3.84 16.33,4.11 16.84,4.41 17.34,4.75 17.81,5.13 18.26,5.53 18.67,5.96 19.06,6.42 19.42,6.91 19.74,7.41 20.03,7.94 20.29,8.49 20.5,9.05 20.68,9.62 20.82,10.21 20.92,10.8 20.98,11.4
GND on Bottom: 171,12 170.98,12.6 170.92,13.2 170.82,13.79 170.68,14.38 170.5,14.95 170.29,15.51 170.03,16.06 169.74,16.59 169.42,17.09 169.06,17.58 168.67,18.04 168.26,18.47 167.81,18.87 167.34,19.25 166.84,19.59 166.33,19.89 165.79,20.16 165.23,20.4 164.67,20.6 164.09,20.75 163.5,20.87 162.9,20.95 162.3,20.99 161.7,20.99 161.1,20.95 160.5,20.87 159.91,20.75 159.33,20.6 158.77,20.4 158.21,20.16 157.67,19.89 157.16,19.59 156.66,19.25 156.19,18.87 155.74,18.47 155.33,18.04 154.94,17.58 154.58,17.09 154.26,16.59 153.97,16.06 153.71,15.51 153.5,14.95 153.32,14.38 153.18,13.79 153.08,13.2 153.02,12.6 153,12 153.02,11.4 153.08,10.8 153.18,10.21 153.32,9.62 153.5,9.05 153.71,8.49 153.97,7.94 154.26,7.41 154.58,6.91 154.94,6.42 155.33,5.96 155.74,5.53 156.19,5.13 156.66,4.75 157.16,4.41 157.67,4.11 158.21,3.84 158.77,3.6 159.33,3.4 159.91,3.25 160.5,3.13 161.1,3.05 161.7,3.01 162.3,3.01 162.9,3.05 163.5,3.13 164.09,3.25 164.67,3.4 165.23,3.6 165.79,3.84 166.33,4.11 166.84,4.41 167.34,4.75 167.81,5.13 168.26,5.53 168.67,5.96 169.06,6.42 169.42,6.91 169.74,7.41 170.03,7.94 170.29,8.49 170.5,9.05 170.68,9.62 170.82,10.21 170.92,10.8 170.98,11.4
GND on Bottom: 21,64 20.98,64.6 20.92,65.2 20.82,65.79 20.68,66.38 20.5,66.95 20.29,67.51 20.03,68.06 19.74,68.59 19.42,69.09 19.06,69.58 18.67,70.04 18.26,70.47 17.81,70.87 17.34,71.25 16.84,71.59 16.33,71.89 15.79,72.16 15.23,72.4 14.67,72.6 14.09,72.75 13.5,72.87 12.9,72.95 12.3,72.99 11.7,72.99 11.1,72.95 10.5,72.87 9.91,72.75 9.33,72.6 8.77,72.4 8.21,72.16 7.67,71.89 7.16,71.59 6.66,71.25 6.19,70.87 5.74,70.47 5.33,70.04 4.94,69.58 4.58,69.09 4.26,68.59 3.97,68.06 3.71,67.51 3.5,66.95 3.32,66.38 3.18,65.79 3.08,65.2 3.02,64.6 3,64 3.02,63.4 3.08,62.8 3.18,62.21 3.32,61.62 3.5,61.05 3.71,60.49 3.97,59.94 4.26,59.41 4.58,58.91 4.94,58.42 5.33,57.96 5.74,57.53 6.19,57.13 6.66,56.75 7.16,56.41 7.67,56.11 8.21,55.84 8.77,55.6 9.33,55.4 9.91,55.25 10.5,55.13 11.1,55.05 11.7,55.01 12.3,55.01 12.9,55.05 13.5,55.13 14.09,55.25 14.67,55.4 15.23,55.6 15.79,55.84 16.33,56.11 16.84,56.41 17.34,56.75 17.81,57.13 18.26,57.53 18.67,57.96 19.06,58.42 19.42,58.91 19.74,59.41 20.03,59.94 20.29,60.49 20.5,61.05 20.68,61.62 20.82,62.21 20.92,62.8 20.98,63.4
GND on Bottom: 59,97 58.98,97.6 58.92,98.2 58.82,98.79 58.68,99.38 58.5,99.95 58.29,100.51 58.03,101.06 57.74,101.59 57.42,102.09 57.06,102.58 56.67,103.04 56.26,103.47 55.81,103.87 55.34,104.25 54.84,104.59 54.33,104.89 53.79,105.16 53.23,105.4 52.67,105.6 52.09,105.75 51.5,105.87 50.9,105.95 50.3,105.99 49.7,105.99 49.1,105.95 48.5,105.87 47.91,105.75 47.33,105.6 46.77,105.4 46.21,105.16 45.67,104.89 45.16,104.59 44.66,104.25 44.19,103.87 43.74,103.47 43.33,103.04 42.94,102.58 42.58,102.09 42.26,101.59 41.97,101.06 41.71,100.51 41.5,99.95 41.32,99.38 41.18,98.79 41.08,98.2 41.02,97.6 41,97 41.02,96.4 41.08,95.8 41.18,95.21 41.32,94.62 41.5,94.05 41.71,93.49 41.97,92.94 42.26,92.41 42.58,91.91 42.94,91.42 43.33,90.96 43.74,90.53 44.19,90.13 44.66,89.75 45.16,89.41 45.67,89.11 46.21,88.84 46.77,88.6 47.33,88.4 47.91,88.25 48.5,88.13 49.1,88.05 49.7,88.01 50.3,88.01 50.9,88.05 51.5,88.13 52.09,88.25 52.67,88.4 53.23,88.6 53.79,88.84 54.33,89.11 54.84,89.41 55.34,89.75 55.81,90.13 56.26,90.53 56.67,90.96 57.06,91.42 57.42,91.91 57.74,92.41 58.03,92.94 58.29,93.49 58.5,94.05 58.68,94.62 58.82,95.21 58.92,95.8 58.98,96.4
GND on Bottom: 96,12 95.98,12.6 95.92,13.2 95.82,13.79 95.68,14.38 95.5,14.95 95.29,15.51 95.03,16.06 94.74,16.59 94.42,17.09 94.06,17.58 93.67,18.04 93.26,18.47 92.81,18.87 92.34,19.25 91.84,19.59 91.33,19.89 90.79,20.16 90.23,20.4 89.67,20.6 89.09,20.75 88.5,20.87 87.9,20.95 87.3,20.99 86.7,20.99 86.1,20.95 85.5,20.87 84.91,20.75 84.33,20.6 83.77,20.4 83.21,20.16 82.67,19.89 82.16,19.59 81.66,19.25 81.19,18.87 80.74,18.47 80.33,18.04 79.94,17.58 79.58,17.09 79.26,16.59 78.97,16.06 78.71,15.51 78.5,14.95 78.32,14.38 78.18,13.79 78.08,13.2 78.02,12.6 78,12 78.02,11.4 78.08,10.8 78.18,10.21 78.32,9.62 78.5,9.05 78.71,8.49 78.97,7.94 79.26,7.41 79.58,6.91 79.94,6.42 80.33,5.96 80.74,5.53 81.19,5.13 81.66,4.75 82.16,4.41 82.67,4.11 83.21,3.84 83.77,3.6 84.33,3.4 84.91,3.25 85.5,3.13 86.1,3.05 86.7,3.01 87.3,3.01 87.9,3.05 88.5,3.13 89.09,3.25 89.67,3.4 90.23,3.6 90.79,3.84 91.33,4.11 91.84,4.41 92.34,4.75 92.81,5.13 93.26,5.53 93.67,5.96 94.06,6.42 94.42,6.91 94.74,7.41 95.03,7.94 95.29,8.49 95.5,9.05 95.68,9.62 95.82,10.21 95.92,10.8 95.98,11.4
GND on Bottom: 96,64 95.98,64.6 95.92,65.2 95.82,65.79 95.68,66.38 95.5,66.95 95.29,67.51 95.03,68.06 94.74,68.59 94.42,69.09 94.06,69.58 93.67,70.04 93.26,70.47 92.81,70.87 92.34,71.25 91.84,71.59 91.33,71.89 90.79,72.16 90.23,72.4 89.67,72.6 89.09,72.75 88.5,72.87 87.9,72.95 87.3,72.99 86.7,72.99 86.1,72.95 85.5,72.87 84.91,72.75 84.33,72.6 83.77,72.4 83.21,72.16 82.67,71.89 82.16,71.59 81.66,71.25 81.19,70.87 80.74,70.47 80.33,70.04 79.94,69.58 79.58,69.09 79.26,68.59 78.97,68.06 78.71,67.51 78.5,66.95 78.32,66.38 78.18,65.79 78.08,65.2 78.02,64.6 78,64 78.02,63.4 78.08,62.8 78.18,62.21 78.32,61.62 78.5,61.05 78.71,60.49 78.97,59.94 79.26,59.41 79.58,58.91 79.94,58.42 80.33,57.96 80.74,57.53 81.19,57.13 81.66,56.75 82.16,56.41 82.67,56.11 83.21,55.84 83.77,55.6 84.33,55.4 84.91,55.25 85.5,55.13 86.1,55.05 86.7,55.01 87.3,55.01 87.9,55.05 88.5,55.13 89.09,55.25 89.67,55.4 90.23,55.6 90.79,55.84 91.33,56.11 91.84,56.41 92.34,56.75 92.81,57.13 93.26,57.53 93.67,57.96 94.06,58.42 94.42,58.91 94.74,59.41 95.03,59.94 95.29,60.49 95.5,61.05 95.68,61.62 95.82,62.21 95.92,62.8 95.98,63.4
VCC on Bottom: 0,111 174,111 174,0 0,0

## Text on the board
B.Silkscreen: ${TITLE} / ${COMPANY} / PCB: v${REVISION} ($:${GIT_HASH})
